# Altium PCB controller_V1.1.PcbDoc (part 3 of 7) (continued)
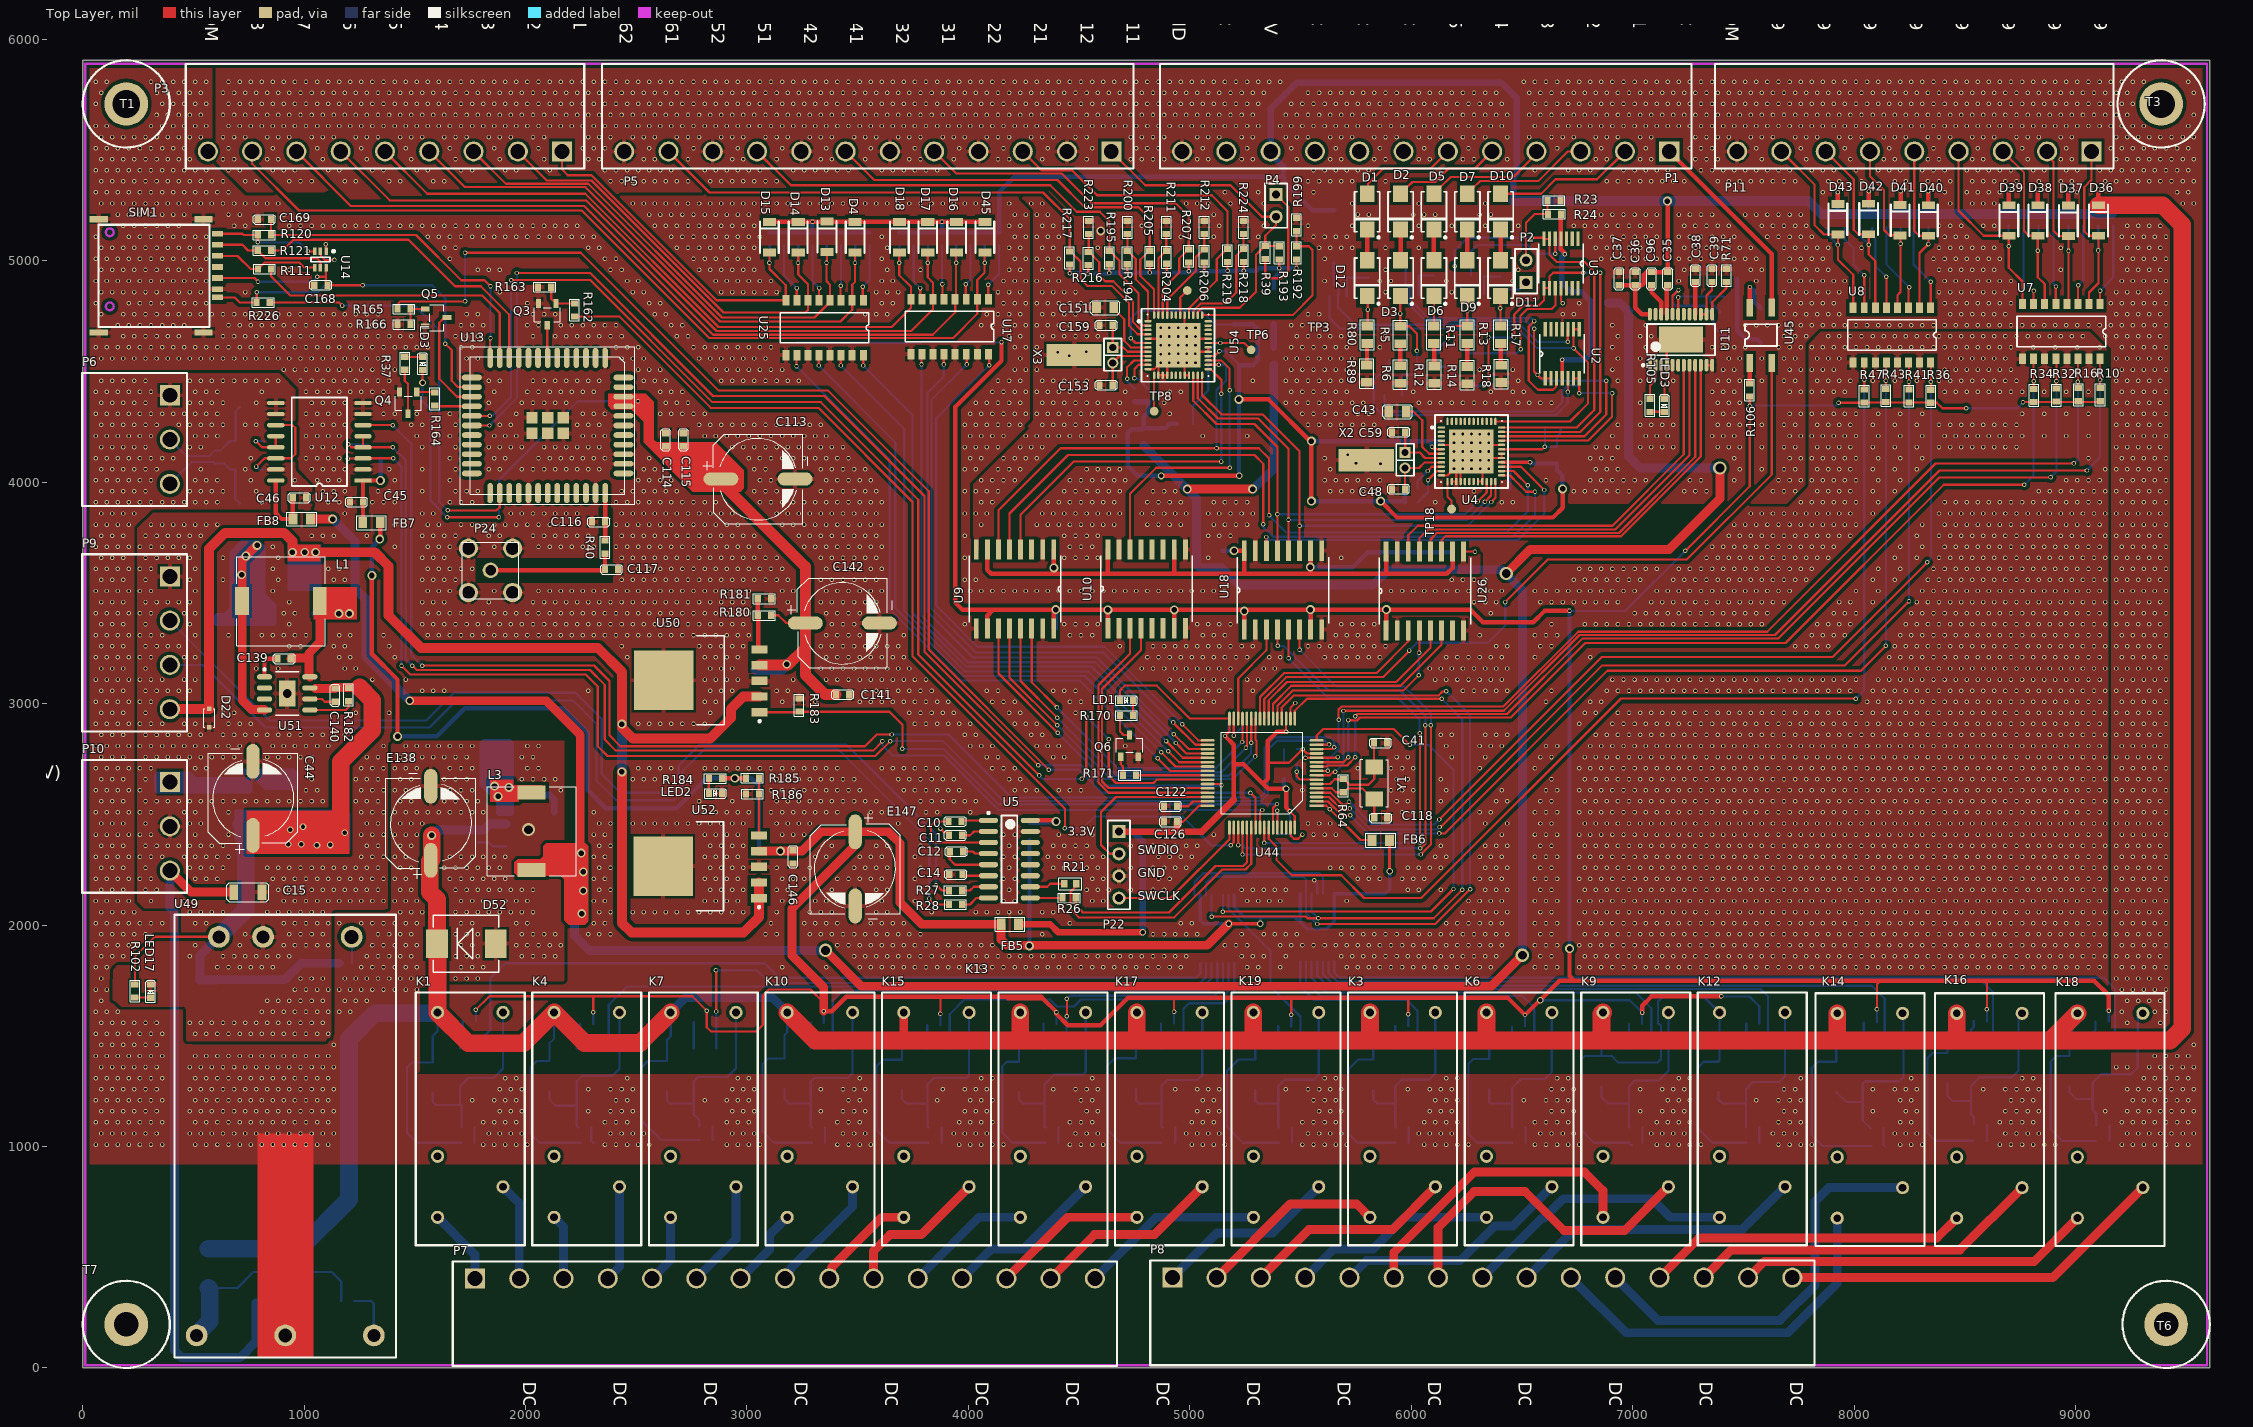
[diagram p0: Top Layer view]
## Nets (pads, with @x,y where several pads share a name; then routed paths per layer and width w, separated by ;. In a path a pad name is that pad's centre, name@x,y a point inside that pad or via, vN(x,y) a via of type N, cw(c..) or ccw(c..) an arc to the next point about the centre after c; other vN are vias at no path point) (continued)
5733.75,4359 5783.75,4359 6033.75,4359 6083.75,4359 6133.75,4359 6183.75,4359 6233.75,4359 6283.75,4359 6333.75,4359 6383.75,4359 6433.75,4359 6483.75,4359 6533.75,4359 6583.75,4359 6633.75,4359 7033.75,4359 7383.75,4359 7433.75,4359 7483.75,4359 9183.75,4359 9233.75,4359 9283.75,4359 9333.75,4359 9383.75,4359 58.75,4409 108.75,4409 158.75,4409 208.75,4409 258.75,4409 308.75,4409 508.75,4409 558.75,4409 608.75,4409 808.75,4409 4308.75,4409 4358.75,4409 4408.75,4409 4458.75,4409 4508.75,4409 4708.75,4409 4908.75,4409 4958.75,4409 5458.75,4409 5508.75,4409 5558.75,4409 5608.75,4409 5658.75,4409 5708.75,4409 6008.75,4409 6358.75,4409 6458.75,4409 6508.75,4409 7358.75,4409 7408.75,4409 7458.75,4409 7708.75,4409 7758.75,4409 9208.75,4409 9258.75,4409 9308.75,4409 9358.75,4409 9408.75,4409 83.75,4459 133.75,4459 183.75,4459 233.75,4459 283.75,4459 483.75,4459 533.75,4459 583.75,4459 633.75,4459 683.75,4459 733.75,4459 783.75,4459 833.75,4459 883.75,4459 4333.75,4459 4383.75,4459 4433.75,4459 4483.75,4459 4533.75,4459 5283.75,4459 5433.75,4459 5483.75,4459 5533.75,4459 5583.75,4459 5633.75,4459 5683.75,4459 5733.75,4459 6483.75,4459 6933.75,4459 7033.75,4459 7183.75,4459 7383.75,4459 7433.75,4459 7483.75,4459 7583.75,4459 7683.75,4459 7733.75,4459 9183.75,4459 9233.75,4459 9283.75,4459 9333.75,4459 9383.75,4459 4308.75,4509 5458.75,4509 5508.75,4509 5558.75,4509 5608.75,4509 5658.75,4509 5708.75,4509 6308.75,4509 6458.75,4509 6908.75,4509 7408.75,4509 7458.75,4509 7708.75,4509 7758.75,4509 9208.75,4509 9258.75,4509 9308.75,4509 9358.75,4509 9408.75,4509 5433.75,4559 5483.75,4559 5533.75,4559 5583.75,4559 5633.75,4559 5683.75,4559 5733.75,4559 6933.75,4559 7033.75,4559 7433.75,4559 7483.75,4559 7583.75,4559 7683.75,4559 7733.75,4559 9183.75,4559 9233.75,4559 9283.75,4559 9333.75,4559 9383.75,4559 4455,4571 4404,4587 4532,4590 4308.75,4609 5458.75,4609 5508.75,4609 5558.75,4609 5608.75,4609 5658.75,4609 5708.75,4609 5858.75,4609 6908.75,4609 7058.75,4609 7358.75,4609 7408.75,4609 7458.75,4609 7508.75,4609 7658.75,4609 7708.75,4609 7758.75,4609 9208.75,4609 9258.75,4609 9308.75,4609 9358.75,4609 9408.75,4609 4333.75,4659 4383.75,4659 4433.75,4659 4483.75,4659 4533.75,4659 4583.75,4659 5483.75,4659 5533.75,4659 5583.75,4659 5633.75,4659 5683.75,4659 5733.75,4659 5883.75,4659 6933.75,4659 7033.75,4659 7083.75,4659 7683.75,4659 7733.75,4659 7783.75,4659 9133.75,4659 9183.75,4659 9233.75,4659 9283.75,4659 9333.75,4659 9383.75,4659 4308.75,4709 4358.75,4709 4408.75,4709 4458.75,4709 4508.75,4709 5458.75,4709 5508.75,4709 5558.75,4709 5608.75,4709 6908.75,4709 7058.75,4709 7508.75,4709 7558.75,4709 7608.75,4709 7658.75,4709 7708.75,4709 7758.75,4709 7808.75,4709 7858.75,4709 7908.75,4709 7958.75,4709 8008.75,4709 8058.75,4709 8108.75,4709 8158.75,4709 8208.75,4709 8258.75,4709 8308.75,4709 8358.75,4709 8408.75,4709 8458.75,4709 8508.75,4709 8558.75,4709 8608.75,4709 8658.75,4709 8708.75,4709 8758.75,4709 8808.75,4709 8858.75,4709 8908.75,4709 8958.75,4709 9008.75,4709 9058.75,4709 9108.75,4709 9158.75,4709 9208.75,4709 9258.75,4709 9308.75,4709 9358.75,4709 9408.75,4709 4333.75,4759 4383.75,4759 4433.75,4759 4483.75,4759 5533.75,4759 5583.75,4759 5883.75,4759 6683.75,4759 6733.75,4759 7683.75,4759 7733.75,4759 7783.75,4759 7833.75,4759 7883.75,4759 7933.75,4759 8433.75,4759 8483.75,4759 8533.75,4759 8583.75,4759 8633.75,4759 8683.75,4759 9183.75,4759 9233.75,4759 9283.75,4759 9333.75,4759 9383.75,4759 4308.75,4809 4358.75,4809 4408.75,4809 4458.75,4809 4508.75,4809 6758.75,4809 7708.75,4809 7758.75,4809 7808.75,4809 7858.75,4809 7908.75,4809 8408.75,4809 8458.75,4809 8508.75,4809 8558.75,4809 8608.75,4809 8658.75,4809 8708.75,4809 9158.75,4809 9208.75,4809 9258.75,4809 9308.75,4809 9358.75,4809 9408.75,4809 4333.75,4859 4383.75,4859 4433.75,4859 4483.75,4859 5883.75,4859 6183.75,4859 7683.75,4859 7733.75,4859 7783.75,4859 7833.75,4859 7883.75,4859 7933.75,4859 8383.75,4859 8433.75,4859 8483.75,4859 8533.75,4859 8583.75,4859 8633.75,4859 8683.75,4859 9183.75,4859 9233.75,4859 9283.75,4859 9333.75,4859 9383.75,4859 4308.75,4909 4358.75,4909 4408.75,4909 5608.75,4909 5858.75,4909 5908.75,4909 6158.75,4909 6458.75,4909 7208.75,4909 7558.75,4909 7708.75,4909 7758.75,4909 7808.75,4909 7858.75,4909 7908.75,4909 7958.75,4909 8408.75,4909 8458.75,4909 8508.75,4909 8558.75,4909 8608.75,4909 8658.75,4909 8708.75,4909 9208.75,4909 9258.75,4909 9308.75,4909 9358.75,4909 9408.75,4909 4333.75,4959 4383.75,4959 5883.75,4959 6483.75,4959 7233.75,4959 7533.75,4959 7583.75,4959 7683.75,4959 7733.75,4959 7783.75,4959 7833.75,4959 7883.75,4959 8383.75,4959 8433.75,4959 8483.75,4959 8533.75,4959 8583.75,4959 8633.75,4959 8933.75,4959 9233.75,4959 9283.75,4959 9333.75,4959 9383.75,4959 4308.75,5009 4358.75,5009 4408.75,5009 5608.75,5009 6858.75,5009 6908.75,5009 6958.75,5009 7008.75,5009 7058.75,5009 7108.75,5009 7208.75,5009 7258.75,5009 7308.75,5009 7358.75,5009 7408.75,5009 7458.75,5009 7508.75,5009 7558.75,5009 7708.75,5009 7758.75,5009 7808.75,5009 7858.75,5009 8358.75,5009 8408.75,5009 8458.75,5009 8508.75,5009 8558.75,5009 8608.75,5009 8658.75,5009 9208.75,5009 9258.75,5009 9308.75,5009 9358.75,5009 9408.75,5009 4333.75,5059 4383.75,5059 4583.75,5059 5583.75,5059 5633.75,5059 5683.75,5059 5733.75,5059 5883.75,5059 6033.75,5059 6833.75,5059 6883.75,5059 6933.75,5059 6983.75,5059 7033.75,5059 7083.75,5059 7233.75,5059 7283.75,5059 7333.75,5059 7383.75,5059 7433.75,5059 7483.75,5059 7533.75,5059 7683.75,5059 7733.75,5059 7783.75,5059 7833.75,5059 7883.75,5059 8033.75,5059 8383.75,5059 8433.75,5059 8483.75,5059 8533.75,5059 8583.75,5059 8633.75,5059 8933.75,5059 9233.75,5059 9283.75,5059 9333.75,5059 9383.75,5059 4308.75,5109 4358.75,5109 4408.75,5109 4958.75,5109 5108.75,5109 5308.75,5109 5558.75,5109 5608.75,5109 5658.75,5109 5708.75,5109 6808.75,5109 6858.75,5109 6908.75,5109 6958.75,5109 7008.75,5109 7058.75,5109 7108.75,5109 7208.75,5109 7258.75,5109 7308.75,5109 7358.75,5109 7408.75,5109 7458.75,5109 7608.75,5109 7658.75,5109 7708.75,5109 7758.75,5109 7808.75,5109 8408.75,5109 8458.75,5109 8508.75,5109 9208.75,5109 9258.75,5109 9308.75,5109 9358.75,5109 9408.75,5109 4333.75,5159 4383.75,5159 4783.75,5159 5133.75,5159 5333.75,5159 5533.75,5159 5733.75,5159 6033.75,5159 6183.75,5159 6333.75,5159 6483.75,5159 6733.75,5159 6783.75,5159 6833.75,5159 6883.75,5159 6933.75,5159 6983.75,5159 7033.75,5159 7083.75,5159 7233.75,5159 7283.75,5159 7333.75,5159 7383.75,5159 7433.75,5159 7583.75,5159 7633.75,5159 7683.75,5159 7733.75,5159 7783.75,5159 8383.75,5159 8433.75,5159 8483.75,5159 8583.75,5159 8633.75,5159 9233.75,5159 9283.75,5159 9333.75,5159 9383.75,5159 4308.75,5209 4358.75,5209 4658.75,5209 5108.75,5209 5758.75,5209 5808.75,5209 6008.75,5209 6058.75,5209 6108.75,5209 6308.75,5209 6358.75,5209 6758.75,5209 6808.75,5209 6858.75,5209 6908.75,5209 6958.75,5209 7008.75,5209 7058.75,5209 7108.75,5209 7208.75,5209 7258.75,5209 7308.75,5209 7358.75,5209 7508.75,5209 7558.75,5209 7608.75,5209 7658.75,5209 7708.75,5209 7758.75,5209 4283.75,5259 4333.75,5259 4983.75,5259 5033.75,5259 5083.75,5259 5183.75,5259 5333.75,5259 5733.75,5259 6033.75,5259 6333.75,5259 8433.75,5259 8533.75,5259 8583.75,5259 8633.75,5259 9483.75,5259 9533.75,5259 5158.75,5309 5308.75,5309 5558.75,5309 7858.75,5309 8408.75,5309 8508.75,5309 8558.75,5309 8608.75,5309 8658.75,5309 9008.75,5309 9458.75,5309 9508.75,5309 733.75,5359 783.75,5359 933.75,5359 983.75,5359 1033.75,5359 1183.75,5359 1233.75,5359 1383.75,5359 1433.75,5359 1583.75,5359 1633.75,5359 2383.75,5359 2433.75,5359 2483.75,5359 2533.75,5359 2583.75,5359 2633.75,5359 2683.75,5359 2733.75,5359 2833.75,5359 2883.75,5359 2933.75,5359 2983.75,5359 3033.75,5359 3083.75,5359 3133.75,5359 5533.75,5359 5583.75,5359 5633.75,5359 5683.75,5359 5733.75,5359 5883.75,5359 6883.75,5359 6933.75,5359 6983.75,5359 7033.75,5359 7083.75,5359 7133.75,5359 7183.75,5359 7233.75,5359 7383.75,5359 7433.75,5359 7483.75,5359 7533.75,5359 7583.75,5359 7633.75,5359 7683.75,5359 7733.75,5359 7883.75,5359 7933.75,5359 8033.75,5359 8183.75,5359 8233.75,5359 8333.75,5359 8383.75,5359 8433.75,5359 8533.75,5359 8583.75,5359 8633.75,5359 8683.75,5359 8733.75,5359 8833.75,5359 8933.75,5359 8983.75,5359 9133.75,5359 9183.75,5359 9233.75,5359 9283.75,5359 9333.75,5359 9383.75,5359 9433.75,5359 9483.75,5359 9533.75,5359 658.75,5409 708.75,5409 858.75,5409 908.75,5409 958.75,5409 1108.75,5409 1158.75,5409 1308.75,5409 1358.75,5409 1508.75,5409 1558.75,5409 1708.75,5409 1758.75,5409 1908.75,5409 1958.75,5409 2108.75,5409 2358.75,5409 2408.75,5409 2458.75,5409 2508.75,5409 2558.75,5409 2608.75,5409 2658.75,5409 2808.75,5409 2858.75,5409 2908.75,5409 2958.75,5409 3008.75,5409 3058.75,5409 3208.75,5409 3258.75,5409 3308.75,5409 3358.75,5409 3408.75,5409 3458.75,5409 3608.75,5409 3658.75,5409 3708.75,5409 3758.75,5409 3808.75,5409 3858.75,5409 5558.75,5409 5608.75,5409 5658.75,5409 5708.75,5409 5758.75,5409 5808.75,5409 6558.75,5409 6708.75,5409 6758.75,5409 6808.75,5409 6958.75,5409 7008.75,5409 7058.75,5409 7108.75,5409 7158.75,5409 7308.75,5409 7358.75,5409 7408.75,5409 7458.75,5409 7508.75,5409 7558.75,5409 7608.75,5409 7658.75,5409 7708.75,5409 7808.75,5409 7858.75,5409 7908.75,5409 8008.75,5409 8108.75,5409 8158.75,5409 8208.75,5409 8308.75,5409 8358.75,5409 8408.75,5409 8508.75,5409 8558.75,5409 8608.75,5409 8658.75,5409 8708.75,5409 8808.75,5409 8858.75,5409 8958.75,5409 9008.75,5409 9108.75,5409 9158.75,5409 9208.75,5409 9258.75,5409 9308.75,5409 9358.75,5409 9408.75,5409 9458.75,5409 9508.75,5409 633.75,5459 683.75,5459 833.75,5459 883.75,5459 1083.75,5459 1283.75,5459 1483.75,5459 1683.75,5459 1883.75,5459 2083.75,5459 2283.75,5459 2333.75,5459 2533.75,5459 2583.75,5459 2733.75,5459 2933.75,5459 2983.75,5459 3133.75,5459 3333.75,5459 3383.75,5459 3533.75,5459 3733.75,5459 3783.75,5459 3933.75,5459 4133.75,5459 4183.75,5459 4333.75,5459 4533.75,5459 4733.75,5459 4783.75,5459 4833.75,5459 4883.75,5459 5033.75,5459 5083.75,5459 5233.75,5459 5283.75,5459 5483.75,5459 5633.75,5459 5683.75,5459 5833.75,5459 5883.75,5459 6033.75,5459 6083.75,5459 6233.75,5459 6283.75,5459 6433.75,5459 6833.75,5459 6883.75,5459 7033.75,5459 7083.75,5459 7283.75,5459 7333.75,5459 7383.75,5459 7583.75,5459 7783.75,5459 7983.75,5459 8133.75,5459 8183.75,5459 8333.75,5459 8383.75,5459 8533.75,5459 8583.75,5459 8783.75,5459 8933.75,5459 8983.75,5459 9183.75,5459 9233.75,5459 9283.75,5459 9333.75,5459 9383.75,5459 9433.75,5459 9483.75,5459 9533.75,5459 658.75,5509 858.75,5509 1058.75,5509 1258.75,5509 1458.75,5509 1658.75,5509 1858.75,5509 2058.75,5509 2258.75,5509 2308.75,5509 2358.75,5509 2558.75,5509 2758.75,5509 2958.75,5509 3158.75,5509 3358.75,5509 3558.75,5509 3758.75,5509 3958.75,5509 4158.75,5509 4358.75,5509 4558.75,5509 4758.75,5509 4808.75,5509 4858.75,5509 5058.75,5509 5258.75,5509 5458.75,5509 5658.75,5509 5858.75,5509 6058.75,5509 6258.75,5509 6658.75,5509 6858.75,5509 7058.75,5509 7258.75,5509 7308.75,5509 7358.75,5509 7558.75,5509 7758.75,5509 7958.75,5509 8158.75,5509 8358.75,5509 8558.75,5509 8758.75,5509 8958.75,5509 9158.75,5509 9208.75,5509 9258.75,5509 9308.75,5509 9358.75,5509 9408.75,5509 9458.75,5509 9508.75,5509 633.75,5559 683.75,5559 733.75,5559 833.75,5559 883.75,5559 933.75,5559 1033.75,5559 1083.75,5559 1133.75,5559 1233.75,5559 1283.75,5559 1333.75,5559 1433.75,5559 1483.75,5559 1533.75,5559 1633.75,5559 1683.75,5559 1733.75,5559 1833.75,5559 1883.75,5559 1933.75,5559 2033.75,5559 2083.75,5559 2283.75,5559 2333.75,5559 2383.75,5559 2483.75,5559 2533.75,5559 2583.75,5559 2683.75,5559 2733.75,5559 2783.75,5559 2883.75,5559 2933.75,5559 2983.75,5559 3083.75,5559 3133.75,5559 3183.75,5559 3283.75,5559 3333.75,5559 3383.75,5559 3483.75,5559 3533.75,5559 3583.75,5559 3683.75,5559 3733.75,5559 3783.75,5559 3883.75,5559 3933.75,5559 3983.75,5559 4083.75,5559 4133.75,5559 4183.75,5559 4283.75,5559 4333.75,5559 4383.75,5559 4483.75,5559 4533.75,5559 4733.75,5559 4783.75,5559 4833.75,5559 4883.75,5559 5033.75,5559 5083.75,5559 5133.75,5559 5233.75,5559 5283.75,5559 5433.75,5559 5483.75,5559 5533.75,5559 5633.75,5559 5683.75,5559 5733.75,5559 5833.75,5559 5883.75,5559 5933.75,5559 6033.75,5559 6083.75,5559 6133.75,5559 6233.75,5559 6283.75,5559 6333.75,5559 6433.75,5559 6533.75,5559 6633.75,5559 6683.75,5559 6733.75,5559 6833.75,5559 6883.75,5559 6933.75,5559 7033.75,5559 7083.75,5559 7283.75,5559 7333.75,5559 7383.75,5559 7433.75,5559 7533.75,5559 7583.75,5559 7633.75,5559 7733.75,5559 7783.75,5559 7833.75,5559 7933.75,5559 7983.75,5559 8033.75,5559 8133.75,5559 8183.75,5559 8233.75,5559 8333.75,5559 8383.75,5559 8433.75,5559 8533.75,5559 8583.75,5559 8633.75,5559 8733.75,5559 8783.75,5559 8833.75,5559 8933.75,5559 8983.75,5559 9183.75,5559 9233.75,5559 9283.75,5559 9333.75,5559 9383.75,5559 9433.75,5559 9483.75,5559 9533.75,5559 658.75,5609 708.75,5609 758.75,5609 808.75,5609 858.75,5609 908.75,5609 958.75,5609 1008.75,5609 1058.75,5609 1108.75,5609 1158.75,5609 1208.75,5609 1258.75,5609 1308.75,5609 1358.75,5609 1408.75,5609 1458.75,5609 1508.75,5609 1558.75,5609 1608.75,5609 1658.75,5609 1708.75,5609 1758.75,5609 1808.75,5609 1858.75,5609 1908.75,5609 1958.75,5609 2008.75,5609 2058.75,5609 2108.75,5609 2158.75,5609 2208.75,5609 2258.75,5609 2308.75,5609 2358.75,5609 2408.75,5609 2458.75,5609 2508.75,5609 2558.75,5609 2608.75,5609 2658.75,5609 2708.75,5609 2758.75,5609 2808.75,5609 2858.75,5609 2908.75,5609 2958.75,5609 3008.75,5609 3058.75,5609 3108.75,5609 3158.75,5609 3208.75,5609 3258.75,5609 3308.75,5609 3358.75,5609 3408.75,5609 3458.75,5609 3508.75,5609 3558.75,5609 3608.75,5609 3658.75,5609 3708.75,5609 3758.75,5609 3808.75,5609 3858.75,5609 3908.75,5609 3958.75,5609 4008.75,5609 4058.75,5609 4108.75,5609 4158.75,5609 4208.75,5609 4258.75,5609 4308.75,5609 4358.75,5609 4408.75,5609 4458.75,5609 4508.75,5609 4558.75,5609 4608.75,5609 4658.75,5609 4708.75,5609 4758.75,5609 4808.75,5609 4858.75,5609 4908.75,5609 4958.75,5609 5008.75,5609 5058.75,5609 5108.75,5609 5158.75,5609 5208.75,5609 5258.75,5609 5308.75,5609 5408.75,5609 5458.75,5609 5508.75,5609 5558.75,5609 5608.75,5609 5658.75,5609 5708.75,5609 5758.75,5609 5808.75,5609 5858.75,5609 5908.75,5609 5958.75,5609 6008.75,5609 6058.75,5609 6108.75,5609 6158.75,5609 6208.75,5609 6258.75,5609 6308.75,5609 6358.75,5609 6408.75,5609 6558.75,5609 6608.75,5609 6658.75,5609 6708.75,5609 6758.75,5609 6808.75,5609 6858.75,5609 6908.75,5609 6958.75,5609 7008.75,5609 7058.75,5609 7108.75,5609 7158.75,5609 7208.75,5609 7258.75,5609 7308.75,5609 7358.75,5609 7408.75,5609 7458.75,5609 7508.75,5609 7558.75,5609 7608.75,5609 7658.75,5609 7708.75,5609 7758.75,5609 7808.75,5609 7858.75,5609 7908.75,5609 7958.75,5609 8008.75,5609 8058.75,5609 8108.75,5609 8158.75,5609 8208.75,5609 8258.75,5609 8308.75,5609 8358.75,5609 8408.75,5609 8458.75,5609 8508.75,5609 8558.75,5609 8608.75,5609 8658.75,5609 8708.75,5609 8758.75,5609 8808.75,5609 8858.75,5609 8908.75,5609 8958.75,5609 9008.75,5609 9058.75,5609 9108.75,5609 9158.75,5609 9208.75,5609 9258.75,5609 9308.75,5609 9508.75,5609 633.75,5659 683.75,5659 733.75,5659 783.75,5659 833.75,5659 883.75,5659 933.75,5659 983.75,5659 1033.75,5659 1083.75,5659 1133.75,5659 1183.75,5659 1233.75,5659 1283.75,5659 1333.75,5659 1383.75,5659 1433.75,5659 1483.75,5659 1533.75,5659 1583.75,5659 1633.75,5659 1683.75,5659 1733.75,5659 1783.75,5659 1833.75,5659 1883.75,5659 1933.75,5659 1983.75,5659 2033.75,5659 2083.75,5659 2133.75,5659 2183.75,5659 2233.75,5659 2283.75,5659 2333.75,5659 2383.75,5659 2433.75,5659 2483.75,5659 2533.75,5659 2583.75,5659 2633.75,5659 2683.75,5659 2733.75,5659 2783.75,5659 2833.75,5659 2883.75,5659 2933.75,5659 2983.75,5659 3033.75,5659 3083.75,5659 3133.75,5659 3183.75,5659 3233.75,5659 3283.75,5659 3333.75,5659 3383.75,5659 3433.75,5659 3483.75,5659 3533.75,5659 3583.75,5659 3633.75,5659 3683.75,5659 3733.75,5659 3783.75,5659 3833.75,5659 3883.75,5659 3933.75,5659 3983.75,5659 4033.75,5659 4083.75,5659 4133.75,5659 4183.75,5659 4233.75,5659 4283.75,5659 4333.75,5659 4383.75,5659 4433.75,5659 4483.75,5659 4533.75,5659 4583.75,5659 4633.75,5659 4683.75,5659 4733.75,5659 4783.75,5659 4833.75,5659 4883.75,5659 4933.75,5659 4983.75,5659 5033.75,5659 5083.75,5659 5133.75,5659 5183.75,5659 5233.75,5659 5283.75,5659 5433.75,5659 5483.75,5659 5533.75,5659 5583.75,5659 5633.75,5659 5683.75,5659 5733.75,5659 5783.75,5659 5833.75,5659 5883.75,5659 5933.75,5659 5983.75,5659 6033.75,5659 6083.75,5659 6133.75,5659 6183.75,5659 6233.75,5659 6283.75,5659 6333.75,5659 6383.75,5659 6433.75,5659 6533.75,5659 6583.75,5659 6633.75,5659 6683.75,5659 6733.75,5659 6783.75,5659 6833.75,5659 6883.75,5659 6933.75,5659 6983.75,5659 7033.75,5659 7083.75,5659 7133.75,5659 7183.75,5659 7233.75,5659 7283.75,5659 7333.75,5659 7383.75,5659 7433.75,5659 7483.75,5659 7533.75,5659 7583.75,5659 7633.75,5659 7683.75,5659 7733.75,5659 7783.75,5659 7833.75,5659 7883.75,5659 7933.75,5659 7983.75,5659 8033.75,5659 8083.75,5659 8133.75,5659 8183.75,5659 8233.75,5659 8283.75,5659 8333.75,5659 8383.75,5659 8433.75,5659 8483.75,5659 8533.75,5659 8583.75,5659 8633.75,5659 8683.75,5659 8733.75,5659 8783.75,5659 8833.75,5659 8883.75,5659 8933.75,5659 8983.75,5659 9033.75,5659 9083.75,5659 9133.75,5659 9183.75,5659 9233.75,5659 9533.75,5659 658.75,5709 708.75,5709 758.75,5709 808.75,5709 858.75,5709 908.75,5709 958.75,5709 1008.75,5709 1058.75,5709 1108.75,5709 1158.75,5709 1208.75,5709 1258.75,5709 1308.75,5709 1358.75,5709 1408.75,5709 1458.75,5709 1508.75,5709 1558.75,5709 1608.75,5709 1658.75,5709 1708.75,5709 1758.75,5709 1808.75,5709 1858.75,5709 1908.75,5709 1958.75,5709 2008.75,5709 2058.75,5709 2108.75,5709 2158.75,5709 2208.75,5709 2258.75,5709 2308.75,5709 2358.75,5709 2408.75,5709 2458.75,5709 2508.75,5709 2558.75,5709 2608.75,5709 2658.75,5709 2708.75,5709 2758.75,5709 2808.75,5709 2858.75,5709 2908.75,5709 2958.75,5709 3008.75,5709 3058.75,5709 3108.75,5709 3158.75,5709 3208.75,5709 3258.75,5709 3308.75,5709 3358.75,5709 3408.75,5709 3458.75,5709 3508.75,5709 3558.75,5709 3608.75,5709 3658.75,5709 3708.75,5709 3758.75,5709 3808.75,5709 3858.75,5709 3908.75,5709 3958.75,5709 4008.75,5709 4058.75,5709 4108.75,5709 4158.75,5709 4208.75,5709 4258.75,5709 4308.75,5709 4358.75,5709 4408.75,5709 4458.75,5709 4508.75,5709 4558.75,5709 4608.75,5709 4658.75,5709 4708.75,5709 4758.75,5709 4808.75,5709 4858.75,5709 4908.75,5709 4958.75,5709 5008.75,5709 5058.75,5709 5108.75,5709 5158.75,5709 5208.75,5709 5258.75,5709 5308.75,5709 5458.75,5709 5508.75,5709 5558.75,5709 5608.75,5709 5658.75,5709 5708.75,5709 5758.75,5709 5808.75,5709 5858.75,5709 5908.75,5709 5958.75,5709 6008.75,5709 6058.75,5709 6108.75,5709 6158.75,5709 6208.75,5709 6258.75,5709 6308.75,5709 6358.75,5709 6408.75,5709 6558.75,5709 6608.75,5709 6658.75,5709 6708.75,5709 6758.75,5709 6808.75,5709 6858.75,5709 6908.75,5709 6958.75,5709 7008.75,5709 7058.75,5709 7108.75,5709 7158.75,5709 7208.75,5709 7258.75,5709 7308.75,5709 7358.75,5709 7408.75,5709 7458.75,5709 7508.75,5709 7558.75,5709 7608.75,5709 7658.75,5709 7708.75,5709 7758.75,5709 7808.75,5709 7858.75,5709 7908.75,5709 7958.75,5709 8008.75,5709 8058.75,5709 8108.75,5709 8158.75,5709 8208.75,5709 8258.75,5709 8308.75,5709 8358.75,5709 8408.75,5709 8458.75,5709 8508.75,5709 8558.75,5709 8608.75,5709 8658.75,5709 8708.75,5709 8758.75,5709 8808.75,5709 8858.75,5709 8908.75,5709 8958.75,5709 9008.75,5709 9058.75,5709 9108.75,5709 9158.75,5709 9208.75,5709 9258.75,5709 633.75,5759 683.75,5759 733.75,5759 783.75,5759 833.75,5759 883.75,5759 933.75,5759 983.75,5759 1033.75,5759 1083.75,5759 1133.75,5759 1183.75,5759 1233.75,5759 1283.75,5759 1333.75,5759 1383.75,5759 1433.75,5759 1483.75,5759 1533.75,5759 1583.75,5759 1633.75,5759 1683.75,5759 1733.75,5759 1783.75,5759 1833.75,5759 1883.75,5759 1933.75,5759 1983.75,5759 2033.75,5759 2083.75,5759 2133.75,5759 2183.75,5759 2233.75,5759 2283.75,5759 2333.75,5759 2383.75,5759 2433.75,5759 2483.75,5759 2533.75,5759 2583.75,5759 2633.75,5759 2683.75,5759 2733.75,5759 2783.75,5759 2833.75,5759 2883.75,5759 2933.75,5759 2983.75,5759 3033.75,5759 3083.75,5759 3133.75,5759 3183.75,5759 3233.75,5759 3283.75,5759 3333.75,5759 3383.75,5759 3433.75,5759 3483.75,5759 3533.75,5759 3583.75,5759 3633.75,5759 3683.75,5759 3733.75,5759 3783.75,5759 3833.75,5759 3883.75,5759 3933.75,5759 3983.75,5759 4033.75,5759 4083.75,5759 4133.75,5759 4183.75,5759 4233.75,5759 4283.75,5759 4333.75,5759 4383.75,5759 4433.75,5759 4483.75,5759 4533.75,5759 4583.75,5759 4633.75,5759 4683.75,5759 4733.75,5759 4783.75,5759 4833.75,5759 4883.75,5759 4933.75,5759 4983.75,5759 5033.75,5759 5083.75,5759 5133.75,5759 5183.75,5759 5233.75,5759 5283.75,5759 5333.75,5759 5533.75,5759 5583.75,5759 5633.75,5759 5683.75,5759 5733.75,5759 5783.75,5759 5833.75,5759 5883.75,5759 5933.75,5759 5983.75,5759 6033.75,5759 6083.75,5759 6133.75,5759 6183.75,5759 6233.75,5759 6283.75,5759 6333.75,5759 6383.75,5759 6533.75,5759 6583.75,5759 6633.75,5759 6683.75,5759 6733.75,5759 6783.75,5759 6833.75,5759 6883.75,5759 6933.75,5759 6983.75,5759 7033.75,5759 7083.75,5759 7133.75,5759 7183.75,5759 7233.75,5759 7283.75,5759 7333.75,5759 7383.75,5759 7433.75,5759 7483.75,5759 7533.75,5759 7583.75,5759 7633.75,5759 7683.75,5759 7733.75,5759 7783.75,5759 7833.75,5759 7883.75,5759 7933.75,5759 7983.75,5759 8033.75,5759 8083.75,5759 8133.75,5759 8183.75,5759 8233.75,5759 8283.75,5759 8333.75,5759 8383.75,5759 8433.75,5759 8483.75,5759 8533.75,5759 8583.75,5759 8633.75,5759 8683.75,5759 8733.75,5759 8783.75,5759 8833.75,5759 8883.75,5759 8933.75,5759 8983.75,5759 9033.75,5759 9083.75,5759 9133.75,5759 9183.75,5759 9233.75,5759 9533.75,5759 658.75,5809 708.75,5809 758.75,5809 808.75,5809 858.75,5809 908.75,5809 958.75,5809 1008.75,5809 1058.75,5809 1108.75,5809 1158.75,5809 1208.75,5809 1258.75,5809 1308.75,5809 1358.75,5809 1408.75,5809 1458.75,5809 1508.75,5809 1558.75,5809 1608.75,5809 1658.75,5809 1708.75,5809 1758.75,5809 1808.75,5809 1858.75,5809 1908.75,5809 1958.75,5809 2008.75,5809 2058.75,5809 2108.75,5809 2158.75,5809 2208.75,5809 2258.75,5809 2308.75,5809 2358.75,5809 2408.75,5809 2458.75,5809 2508.75,5809 2558.75,5809 2608.75,5809 2658.75,5809 2708.75,5809 2758.75,5809 2808.75,5809 2858.75,5809 2908.75,5809 2958.75,5809 3008.75,5809 3058.75,5809 3108.75,5809 3158.75,5809 3208.75,5809 3258.75,5809 3308.75,5809 3358.75,5809 3408.75,5809 3458.75,5809 3508.75,5809 3558.75,5809 3608.75,5809 3658.75,5809 3708.75,5809 3758.75,5809 3808.75,5809 3858.75,5809 3908.75,5809 3958.75,5809 4008.75,5809 4058.75,5809 4108.75,5809 4158.75,5809 4208.75,5809 4258.75,5809 4308.75,5809 4358.75,5809 4408.75,5809 4458.75,5809 4508.75,5809 4558.75,5809 4608.75,5809 4658.75,5809 4708.75,5809 4758.75,5809 4808.75,5809 4858.75,5809 4908.75,5809 4958.75,5809 5008.75,5809 5058.75,5809 5108.75,5809 5158.75,5809 5208.75,5809 5258.75,5809 5308.75,5809 5358.75,5809 5408.75,5809 6508.75,5809 6558.75,5809 6608.75,5809 6658.75,5809 6708.75,5809 6758.75,5809 6808.75,5809 6858.75,5809 6908.75,5809 6958.75,5809 7008.75,5809 7058.75,5809 7108.75,5809 7158.75,5809 7208.75,5809 7258.75,5809 7308.75,5809 7358.75,5809 7408.75,5809 7458.75,5809 7508.75,5809 7558.75,5809 7608.75,5809 7658.75,5809 7708.75,5809 7758.75,5809 7808.75,5809 7858.75,5809 7908.75,5809 7958.75,5809 8008.75,5809 8058.75,5809 8108.75,5809 8158.75,5809 8208.75,5809 8258.75,5809 8308.75,5809 8358.75,5809 8408.75,5809 8458.75,5809 8508.75,5809 8558.75,5809 8608.75,5809 8658.75,5809 8708.75,5809 8758.75,5809 8808.75,5809 8858.75,5809 8908.75,5809 8958.75,5809 9008.75,5809 9058.75,5809 9108.75,5809 9158.75,5809 9208.75,5809 9258.75,5809 9308.75,5809 9508.75,5809
  other v2: 6193.43,4098.45 6232.8,4099.63 6272.17,4099.63 6311.54,4099.63 6193.43,4139 6232.8,4139 6272.17,4139 6311.54,4139 6350.91,4139 6232.8,4178.37 6272.17,4178.37 6311.54,4178.37 6310.35,4216.56 6193.43,4217.74 6232.8,4217.74 6272.17,4217.74 6350.91,4217.74 4907.8,4540.26 4947.17,4540.26 5025.91,4540.26 4868.43,4578.45 4947.17,4579.63 4986.54,4579.63 4868.43,4619 4907.8,4619 4986.54,4619 5025.91,4619 4907.8,4658.37 4947.17,4658.37 4986.54,4658.37 5025.91,4658.37 4985.35,4696.56 4868.43,4697.74 4907.8,4697.74 4947.17,4697.74 5025.91,4697.74
  other v3: 4598,5135
  other v6: 2013.85,2431
AI0: D1.1 P1.6 | length 467.7
  Top Layer w10: D1.1@5801.29,5302.71 5805.27,5306.69 5805.27,5348.27 5873.87,5416.87 6088.23,5416.87 P1.6@6165.35,5494
AI1: D2.1 P1.5 | length 494.4
  Top Layer w10: D2.1@5951.92,5302.71 5951.92,5305.66 5980.38,5334.13 5983.33,5334.13 6005.56,5356.36 6107.89,5356.36 6168.41,5416.87 6288.23,5416.87 P1.5@6365.35,5494
AI2: D5.1 P1.4 | length 550.6
  Top Layer w10: D5.1@6102.54,5302.71 6102.54,5305.66 6131.01,5334.13 6133.96,5334.13 6178.83,5379 6462,5379 6565.35,5482.35 P1.4@6565.35,5494
AI3: D7.1 P1.3 | length 593.2
  Top Layer w10: D7.1@6253.17,5302.71 6253.17,5305.66 6281.63,5334.13 6284.58,5334.13 6310.46,5360 6573.28,5360 6707.28,5494 P1.3@6765.35,5494
AI4: D10.1 P1.2 | length 640.8
  Top Layer w10: D10.1@6403.79,5302.71 6586.71,5302.71 6652,5368 6839.35,5368 P1.2@6965.35,5494
AI5: P1.11
AI6: P1.7
AI7: P1.8
AI8: P1.9
AO_0: P1.1 U45.3 | length 896.9
  Top Layer w20: P1.1@7165.35,5494 7628.54,5030.82 U45.3@7628.54,4789
AO_BOOST: Q11.3 U11.20 | length 530.6
  Top Layer w10: U11.20@7180.15,4759.16 7180.15,4841.15 v1(7207,4868)
  Bottom Layer w10: v1(7207,4868) 7180.15,4841.15 7180.15,4810.28 7192.89,4797.54 7320.9,4797.54 7365.68,4752.76 7365.68,4703.01 7403.11,4665.58 Q11.3@7432.91,4665.58
AO_IOUT: C40.2 Q11.1 R72.1 U11.19 | length 380.7
  Top Layer w10: U11.19@7205.74,4759.16 v1(7205.74,4834.74)
  Bottom Layer w10: v1(7205.74,4834.74) 7208.45,4834.74 7212.79,4839.08 C40.2@7351.54,4839.08 ; Q11.1@7393.54,4764 7393.54,4771.87 7370.92,4794.49 7367.34,4794.49 7351.54,4810.3 C40.2@7351.54,4839.08 ; R72.1@7414.48,4839 7414.4,4839.08 C40.2@7351.54,4839.08